# Altium PCB simon pcb.PcbDoc (continued)
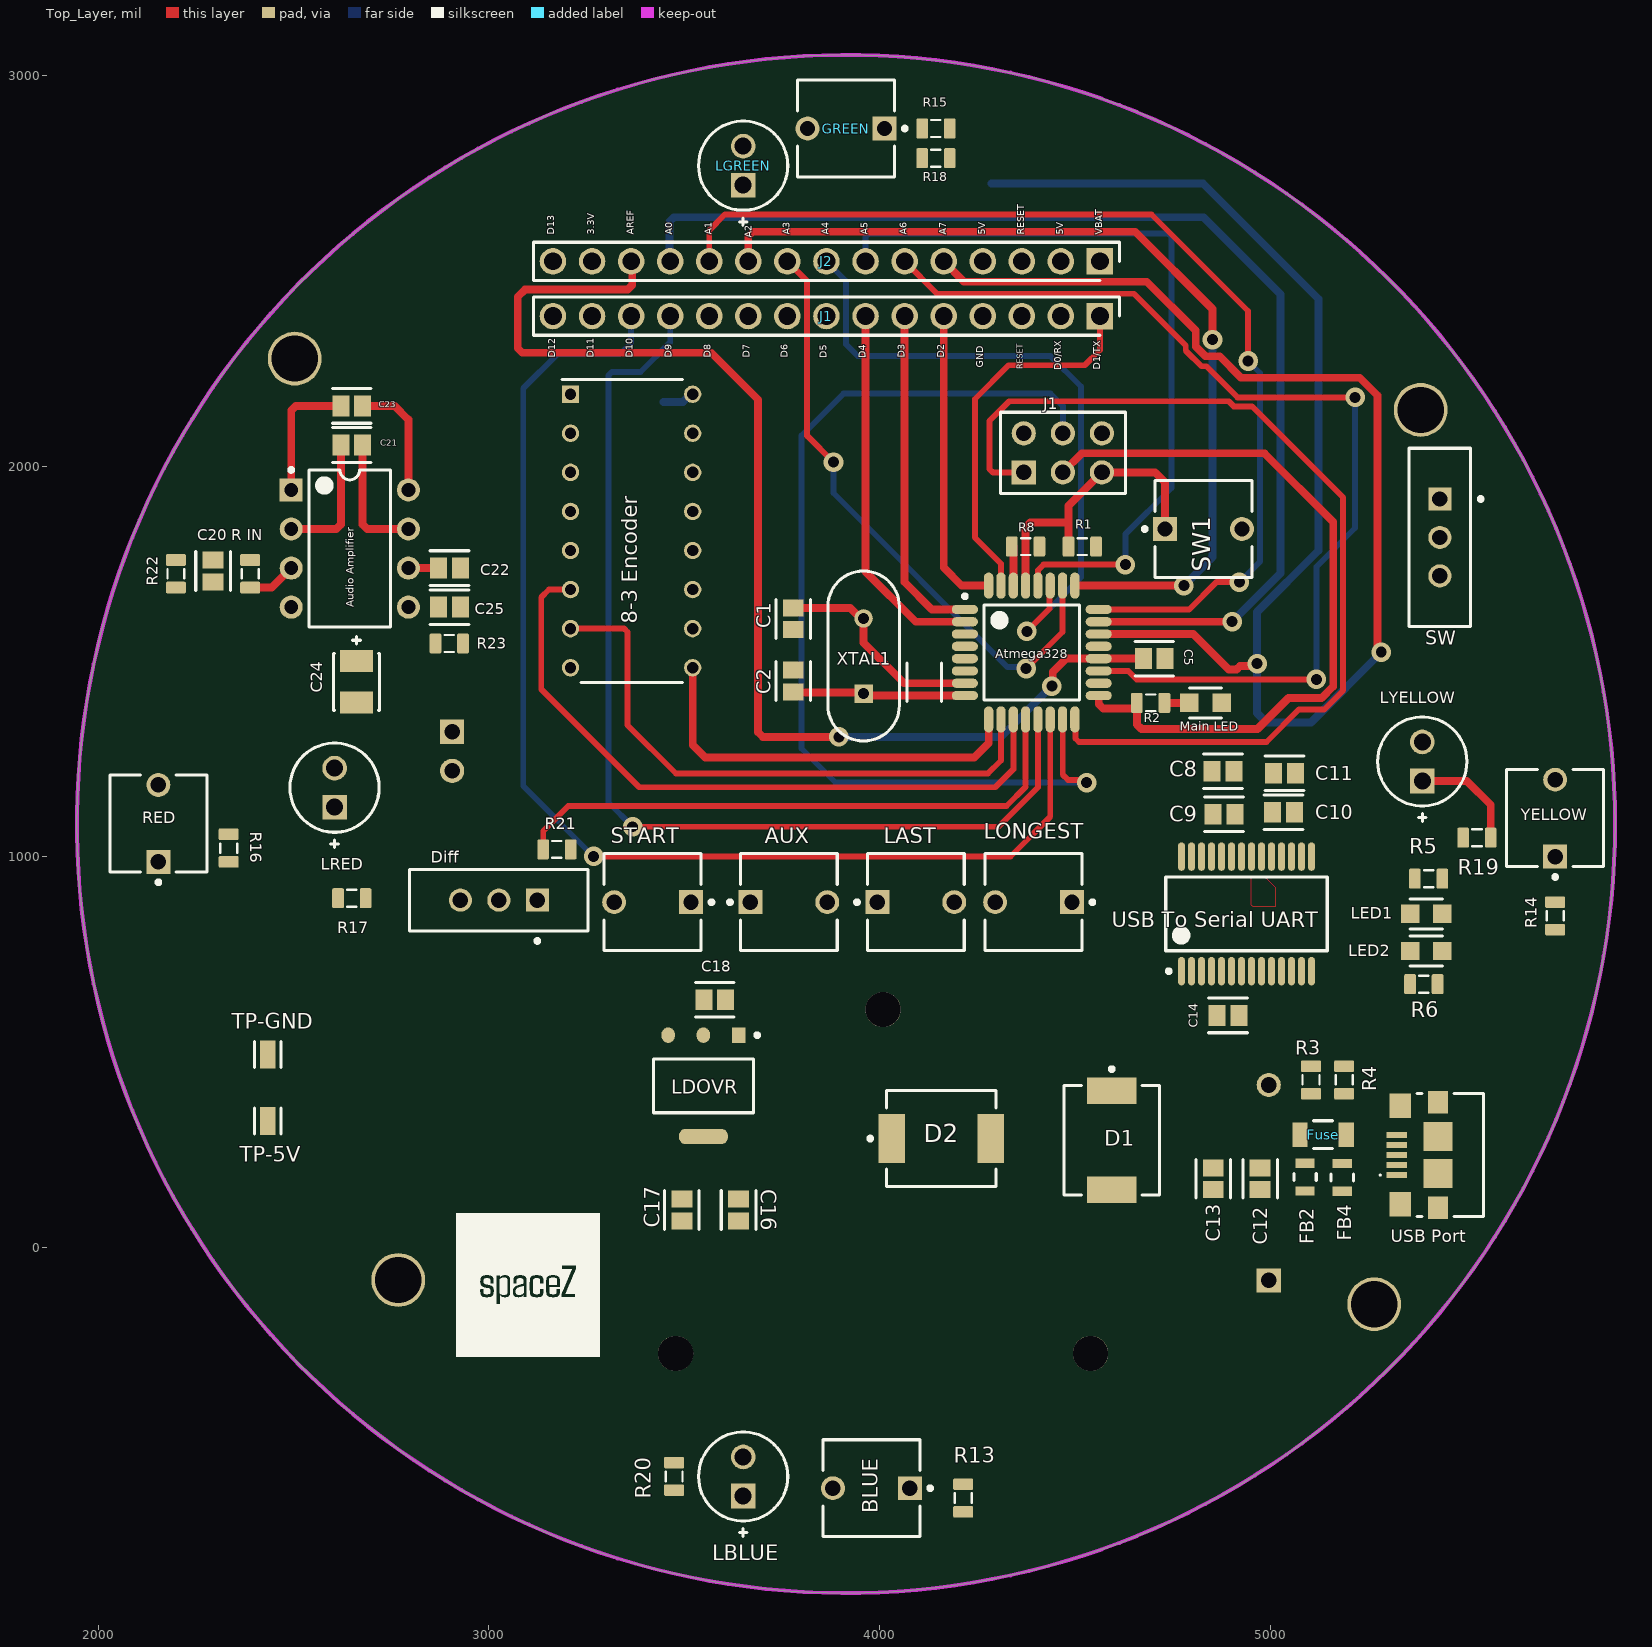
[diagram p0: Top_Layer view]
## Part data (continued)
AUX BLUE GREEN LAST LONGEST RED START SW1 YELLOW: library part CMP-00287-55650591-1, "EVQ-21405R Switch Tactile N.O. SPST Round Button PC Pins 0.02A 15VDC 1.3N Thru-Hole Radial T/R", Case/Package=Radial, Contact Current Rating=20mA, Contact Resistance=50mΩ, Max Operating Temperature=70°C, Max Voltage Rating (DC)=15V, Min Operating Temperature=-20°C, Operating Force=1.3N, Actuator Length=1.6mm, Contact Plating=Silver, Current Rating=20mA, Depth=6mm, Electrical Life=100kcycles, Height=5mm, Illumination Type="Illuminated, Non-Illuminated", Lead Free="Lead Free", Length=6mm, Life (Cycles)=100kcycles, Max Current Rating=20mA, Mechanical Life=100kcycles, Mount="Through Hole", NexarPartId=55650591, Number of Positions=2, Orientation=Straight, Radiation Hardening=No, REACH SVHC=Unknown, RoHS=Compliant, Switch Function=Off-Mom, Switch Travel=250µm, Termination="PC Pin", Throw Configuration=SPST, Voltage Rating (DC)=15V, Weight=1.451496g, Width=6mm
BAT1: library part CMP-136216-000001-1, "BATTERY HOLDER 9V PC PIN", Manufacturer="Memory Protection Devices", Package=0, Voltage Rating=9V, Automotive=No, Category=Batt, ComponentLink2Description=Datasheet, ComponentLink2URL=http://www.memoryprotectiondevices.com/datasheets/BH9VPC-datasheet.pdf, Conn Orientation=Vertical, Contact Material=Nickel, Device Class L1=Connectors, Device Class L2=unset, Device Class L3=unset, Digikey Description="BATTERY HOLDER 9V PC PIN", Height=21.12mm, Is Female=yes, Lead Free=Yes, Manufacturer Part Number=BH9VPC, Number of Contacts=2, Octopart=https://octopart.com/bh9vpc-memory+protection+devices-22788154, RoHS=TRUE
C1 C2 C3 C4 C5 C6 C7 C8 C9 C10 C11 C12 C13 C14 C15 C16 C17 C18 C19 C20 C21 C22 C23 C25: library part CMP-2000-05016-2, "General Purpose Ceramic Capacitor, 0805, 100nF, 10%, X7R, 0.15, 50V", Capacitance=100nF, Case Code (Imperial)=0805, Case Code (Metric)=2012, Dielectric=X7R, Dielectric Material=Ceramic, Insulation Resistance=100GR, Max Operating Temperature=125°C, Min Operating Temperature=-55°C, Package Quantity=4000, Tolerance=10%, Voltage=50V, Case/Package=0805, Depth=1.25mm, Dissipation Factor=2.5%, Height=0.5mm, Lead Free="Lead Free", Length=2mm, Mount="Surface Mount", Number of Pins=2, Packaging="Cut Tape", Radiation Hardening=No, REACH SVHC="No SVHC", RoHS Compliant=Yes, Series="MLCC X7R", Termination=Standard, Thickness=0.037inch, Voltage Rating=50V, Voltage Rating (DC)=50V, Weight=0.001411oz, Width=1.2mm
C24: library part CMP-2000-07191-2, "CAP TANT 10UF 10% 20V 1411", Capacitance=10uF, Case Code (Imperial)=1411, Case Code (Metric)=3528, Dielectric Material=Tantalum, ESR (Equivalent Series Resistance)=2.1R, Leakage Current=2uA, Max Operating Temperature=125°C, Min Operating Temperature=-55°C, Package Quantity=1, Ripple Current=201mA, Tolerance=10%, Voltage=20V, Case/Package=1411, Depth=2.8mm, Dissipation Factor=6%, Failure Rate=0.001%, Features="General Purpose", Height=1.9mm, Height - Seated (Max)=0.083inch, Lead Free="Lead Free", Length=3.5mm, Life (Hours)=2000Hour, Mount="Surface Mount", Number of Pins=2, Packaging="Tape and Reel", Polarity=Polar, Radiation Hardening=No, REACH SVHC="No SVHC", RoHS Compliant=Yes, Termination=SMD/SMT, Voltage Rating=20V, Voltage Rating (DC)=20V, Weight=0.002293oz, Width=2.8mm
D1 D2: library part CMP-02539-000066-1, "DIODE SCHOTTKY 40V 3A DO214AB", Average Rectified Current=3A, Case/Package=SMC, Forward Voltage=500mV, Max Operating Temperature=125°C, Max Repetitive Reverse Voltage (Vrrm)=40V, Max Reverse Current=500uA, Max Surge Current=100A, Min Operating Temperature=-55°C, Package Quantity=3500, Element Configuration=Single, Forward Current=3A, Max Reverse Leakage Current=500uA, Max Reverse Voltage (DC)=40V, Mount="Surface Mount", Number of Pins=2, Packaging="Tape and Reel", Peak Non-Repetitive Surge Current=100A, Radiation Hardening=No, RoHS Compliant=Yes, Series=-
Diff SW: library part CMP-011-00006-2, "Slide Switch, SPDT, 500 V, -20 to 70 degC, 3-Pin THD, RoHS, Bulk", Contact Current Rating=200mA, Manufacturer=E-Switch, Max Operating Temperature=70°C, Min Operating Temperature=-20°C, Operating Force=250gf, Package Description="3-Pin Through Hole Device, Body 11.6 x 4 mm, Pitch 2.5 mm", Package Quantity=1000, Voltage Rating (AC)=30V, Case/Package=EG1218, Contact Finish=Silver, Contact Material=Copper, Contact Plating=Silver, Current Rating=200mA, Datasheet URL=https://www.e-switch.com/system/asset/product_line/data_sheet/119/EG.pdf, Datasheet Version=Oct-15, Manufacturer URL=http://www.e-switch.ch/en/, Mounting Technology=TH, Package Reference=EG1218, Packaging=Bulk, Pins=3, RoHS Compliant=True, Throw Configuration=SPDT, Voltage Rating (DC)=30V
FB1 FB2 FB3 FB4: library part CMP-0686-00665-3, "Chip Ferrite Bead, 0805, 1000Ω @ 100MHz, 0.27Ω, 25%, 600mA", Case Code (Imperial)=0805, Case Code (Metric)=2012, Current Rating=500mA, DC Current=200mA, DC Resistance (DCR)=280mR, Frequency=100MHz, Max Current Rating=600mA, Max Operating Temperature=125°C, Min Operating Temperature=-55°C, Package Quantity=1, Tolerance=25%, Case/Package=0805, Core Material=Ferrite, Depth=1.25mm, Height=0.85mm, Impedance=1kR, Lead Free="Lead Free", Length=2mm, Material=Steel, Max DC Current=200mA, Military Standard=Not, Number of Circuits=1, Number of Lines=1, Number of Pins=2, Packaging="Tape and Reel", Radiation Hardening=No, REACH SVHC="No SVHC", Shielding=Unshielded, Termination=SMD/SMT, Test Frequency=100MHz, Weight=0.000194oz, Width=1.25mm
Fuse: library part CMP-07400-000012-1, "PTC RESET FUSE 6V 1.1A 1206", Ambient Temperature Range High=+85°C, Ambient Temperature Range Low=-40°C, Current Rating=100A, Hold Current=1.1A, Manufacturer=Bourns, Resistance=0.06-0.2Ω, Temperature="-40°C to +85°C", Trip Current=2.2A, Voltage Rating=6V, Automotive=Yes, Automotive Grade="Grade 3", Category=Fuse, ComponentLink2Description=Datasheet, ComponentLink2URL=https://www.bourns.com/docs/Product-Datasheets/mfnsmf.pdf, Device Class L1="Circuit Protection", Device Class L2="PTC Resettable Fuses", Device Class L3=unset, Digikey Description="PTC RESET FUSE 6V 1.1A 1206", Height=0.7mm, Lead Free=Yes, Manufacturer Part Number=MF-NSMF110-2, Mouser Description="Resettable Fuses - PPTC 1.1A 6V 0.06ohm", Octopart=https://octopart.com/mf-nsmf110-2-bourns-41795, Package=MF-NSMF110-2, RoHS=TRUE, Temperature Range High=+85°C, Temperature Range Low=-40°C, Trip Time=0.1s
J1 J2: "Headers & Wire Housings 15P VERT HEADER Sn", Manufacturer_Name=Molex, Mouser Part Number=538-22-28-4150, Datasheet Link=https://componentsearchengine.com/Datasheets/1/22-28-4150.pdf, Geometry.Height=8.38mm, Manufacturer_Part_Number=22-28-4150, Mouser Price/Stock=https://www.mouser.co.uk/ProductDetail/Molex/22-28-4150?qs=M5Ic86%252BuP8aClMFgmZrq7g%3D%3D
J1: library part CMP-2000-06636-2, "CONN HEADER VERT 6POS 2.54MM", Current Rating=3A, Manufacturer=Harwin, Temperature="-40°C to +105°C", Temperature Range High=+105°C, Temperature Range Low=-40°C, Automotive=No, Category=Conn, ComponentLink2Description=Datasheet, ComponentLink2URL=https://cdn.harwin.com/pdfs/M20-998.pdf, Conn Gender=Male, Conn Orientation=Vertical, Contact Material=Tin,Nickel, Device Class L1=Connectors, Device Class L2="Headers and Wire Housings", Device Class L3=unset, Digikey Description="CONN HEADER VERT 6POS 2.54MM", Height=8.99mm, Lead Free=Yes, Manufacturer Part Number=M20-9980346, Mouser Description="2.54mm (0.1\") Pitch DIL Vertical PC Tail Pin Header, 6.1mm mating pin height, tin, 3+3 contacts", Number of Contacts=6, Number of Rows=2, Octopart=https://octopart.com/m20-9980346-harwin-5436545, Package=M20-9980346, Pitch=2.54mm, RoHS=TRUE
J3: library part CMP-02766-001428-1, "CONN HEADER VERT 2POS 2.54MM", Color=Black, Current Rating=7.6A, Max Operating Temperature=125°C, Max Voltage Rating (AC)=550V, Min Operating Temperature=-55°C, Package Quantity=1, Connector Type="Male Pin", Contact Material=Bronze, Contact Mating Length=0.23inch, Contact Plating=Gold, Contact Type="Male Pin", Depth=2.54mm, Gender=Male, Housing Color=Black, Housing Material=Polyester, Lead Free="Lead Free", Length=5.08mm, Max Current Rating=7.6A, Mount="Through Hole", Number of Contacts=2, Number of Positions=2, Number of Rows=1, Orientation=Straight, Packaging=Bulk, Pitch=2.54mm, Radiation Hardening=No, REACH SVHC="No SVHC", RoHS Compliant=Yes, Series=TSW, Termination=Solder, Voltage Rating=550V, Width=2.54mm
LBLUE LGREEN LRED LYELLOW: library part CMP-2000-06058-1, "Cree(R) 5-mm Red Round LED, 2.1 V, -40 to 100 degC, 2-Pin THD, RoHS, Ammo", Emitting Color=Red, Forward Current=50mA, Forward Voltage=2.6V, Manufacturer=Cree, Operating Temp Range=-40Cto100C, Operating Temperature Classification=Industrial, Package Description="2-Pin Through Hole Device, Dia 5.8 mm, Pitch 2.54 mm", Package Reference=C503B-RAN, Package Type=T-13/4, Power Dissipation=130mW, Reverse Voltage=5V, Test Current (It)=20mA, Datasheet URL=http://www.cree.com/sitecore-modules/web/~/media/Files/Cree/LED-Components-and-Modules/HB/Data-Sheets/C503B-RAS-RAN-AAS-AAN-RBS-RBN-ABS-ABN-RCS-RCN-ACS-ACN-1079.pdf, Datasheet Version=12/2014, Dominant Wave Length=624nm, Lens Dimensions=5x5x7.8mm, Luminous Intensity=12000mcd, Main Category=StandardLED, Manufacturer URL=http://www.cree.com/, Mounting=ThroughHole, Mounting Technology=ThroughHole, Number of  Elements=1, Packaging=AmmoPack, Pin Count=2, Product Depth (mm)=5.8mm, Product Height (mm)=8.8mm, Product Length (mm)=5.8mm, Shape Type=Circular, Type=Uni-Color, Viewing Angle=15°
LDOVR: library part CMP-209535-000001-1, "LDO Voltage Regulators 1A, 3.3V", Dropout Voltage=1.1V, Manufacturer="Advanced Monolithic Systems", Manufacturer Part Number=AMS1117-3.3, Max Junction Temp=+125°C, Max Power Dissipation=1.2W, Max Supply Voltage=15V, Nominal Supply Current=5mA, Output Current=1A, Output Voltage=3.3V, Package=AMS1117, Temperature="-40°C to +125°C", Temperature Range Low=-40°C, Automotive=No, Category=IC, ComponentLink2Description=Datasheet, ComponentLink2URL=http://www.advanced-monolithic.com/pdf/ds1117.pdf, Device Class L1="Integrated Circuits (ICs)", Device Class L2="Power Management ICs", Device Class L3="Voltage Regulators - Linear", Height=1.8mm, Ipc Land Pattern Name=SOT229P700X180-4, Lead Free=Yes, Number of Outputs=1, Octopart=https://octopart.com/ams1117-3.3-advanced+monolithic+systems-25899300, Output Type=Fixed, RoHS=TRUE, Standoff Height=0.64mm, Temperature Range High=+125°C
LED1: library part CMP-44529-000064-1, "LED YELLOW CLEAR CHIP SMD", Case Code (Imperial)=0805, Case Code (Metric)=2012, Color=Yellow, Forward Current=20mA, Forward Voltage=2V, Illumination Color=Green, Lens Color=Clear, Max Operating Temperature=85°C, Min Operating Temperature=-40°C, Package Quantity=2000, Case/Package=0805, Dominant Wavelength=590nm, Height=0.4mm, Lead Free="Lead Free", Length=2mm, Lens Style=Clear, Luminous Intensity=150mcd, Mount="Surface Mount", Number of LEDs=1, Number of Pins=2, Packaging="Tape and Reel", RoHS Compliant=Yes, Series=APHCM, Test Current=20mA, Viewing Angle=110°, Wavelength=590nm, Width=1.25mm
LED2 "Main LED": library part CMP-44529-000064-1, "LED YELLOW CLEAR CHIP SMD", Case Code (Imperial)=0805, Case Code (Metric)=2012, Color=Yellow, Forward Current=20mA, Forward Voltage=2V, Lens Color=Clear, Max Operating Temperature=85°C, Min Operating Temperature=-40°C, Package Quantity=2000, Case/Package=0805, Dominant Wavelength=590nm, Height=0.4mm, Illumination Color=Green, Lead Free="Lead Free", Length=2mm, Lens Style=Clear, Luminous Intensity=150mcd, Mount="Surface Mount", Number of LEDs=1, Number of Pins=2, Packaging="Tape and Reel", RoHS Compliant=Yes, Series=APHCM, Test Current=20mA, Viewing Angle=110°, Wavelength=590nm, Width=1.25mm
R1 R2 R3 R4 R5 R6 R7 R8 R9 R10 R11 R12 R13 R14 R15 R16 R17 R18 R19 R20 R21 R22 R23 "R IN": library part CMP-009-00076-2, "1K 0.125W 5% 0805 (2012 Metric)  SMD", Case/Package=0805, Power=125mW, Tolerance=5%, Mounting Technology=SMT, Pins=2
TP-5V TP-GND: library part CMP-15817-000011-1, "PC TEST POINT NATURAL", Color=Natural, Body Material=Brass, Material="Copper Alloy", Mount="Surface Mount", Packaging="Tape and Reel", Plating=Tin, RoHS Compliant=Yes
"USB Port": library part CMP-2000-05408-1, "Micro USB Receptacle Standard Type B Assy, 5-Pin SMD, RoHS, Tape and Reel", Current Rating (Max)=1/ContactA, Manufacturer="TE Connectivity", Operating Temp Range=-55Cto85C, Operating Temperature Max Deg. C=85C, Operating Temperature Min Deg. C=-55C, Voltage Rating Max=30VAC, Body Orientation=RightAngle, Contact Material=CopperAlloy, Contact Plating=GoldOverNickel, Datasheet URL=http://www.mouser.com/ds/2/418/NG_CD_1981568_E2-621296.pdf, Datasheet Version="Rev. E2, 08/2015", Gender=RCP, Housing Material=Thermoplastic, Manufacturer URL=http://www.te.com/, Mounting Style=SurfaceMount, Number of Contacts=5POS, Number of Ports=1Port, Number of Terminals=5, Packaging=TapeandReel, Pitch (mm)=0.65mm, Product Depth (mm)=5.6mm, Product Height (mm)=3mm, Product Length (mm)=8mm, Termination Method=Solder, Type=MicroUSB
"USB To Serial UART": library part CMP-015-00000-2, "USB UART IC, -0.5 to 6 V, 24 mA, -40 to 85 degC, 28-Pin SSOP, RoHS, Tape and Reel", Case/Package=SSOP, Manufacturer="Future Technology Devices International (FTDI)", Max Operating Temperature=85°C, Max Supply Voltage=5.25V, Min Operating Temperature=-40°C, Min Supply Voltage=3.3V, Nominal Supply Voltage=5V, Package Quantity=2000, Channels=1, Data Rate=3Mbps, Datasheet URL=http://datasheet.octopart.com/FT232RL-FTDI-datasheet-120501.pdf, Datasheet Version="Rev. 1.04, 02/2006", Interface=UART, Manufacturer URL=http://www.ftdichip.com/, Packaging=TapeandReel, Pins=16, RoHS Compliant=True
XTAL1: library part CMP-003-00000-2, "Crystal, 16 MHz, +/-20 ppm, 18 pF, -20 to 70 degC, 2-Pin THD, RoHS", Case/Package=49S-18PF, Frequency=16MHz, Manufacturer="Shenzhen Jingpengyuan", Package Description="2-Pin Through Hole Device, Body 11.05 x 4.65 mm, Pitch 4.88 mm", Datasheet URL=http://datasheet.octopart.com/49S-18PF-Xinhunjing-datasheet-30677139.pdf, Datasheet Version=Aug-14, Manufacturer URL=http://www.chjiahui.com/, Mounting Technology=TH, Package Reference=49S-18PF, RoHS Compliant=Unknown

## Free pads (board coordinates)
  round 137.8 hole 118.11: 22(2768,-83) 23(2503,2275) 24(5385,2144) 25(5266,-145)

## Via types
v1: diameter 50, hole 28, Top_Layer to Bottom Layer, 18 vias

## Nets (pads, with @x,y where several pads share a name; then routed paths per layer and width w, separated by ;. In a path a pad name is that pad's centre, name@x,y a point inside that pad or via, vN(x,y) a via of type N, cw(c..) or ccw(c..) an arc to the next point about the centre after c; other vN are vias at no path point)
GND: "8-3 Encoder.5" "8-3 Encoder.8" "Audio Amplifier.4" "Main LED.1" "USB Port.5" "USB Port.6" "USB Port.7" "USB Port.8" "USB Port.9" "USB Port.11" "USB To Serial UART.7" "USB To Serial UART.18" "USB To Serial UART.21" "USB To Serial UART.25" "USB To Serial UART.26" Atmega328.3 Atmega328.5 Atmega328.21 AUX.B BAT1.1 BLUE.B C1.2 C2.2 C3.2 C4.2 C5.2 C6.2 C7.2 C8.2 C9.2 C10.2 C11.2 C12.2 C13.2 C15.2 C16.2 C17.2 C18.2 C19.2 C20.2 C22.2 Diff.2 GREEN.B J1.4@4264,2384 J1.6@4569,2084 J2.2 J3.2 LAST.B LBLUE.2 LDOVR.1 LGREEN.2 LONGEST.B LRED.2 LYELLOW.2 RED.B START.B SW1.B TP-GND.1 YELLOW.B
"Net8-3 Encoder_1": "8-3 Encoder.1" BLUE.A R13.2
"Net8-3 Encoder_2": "8-3 Encoder.2" R14.2 YELLOW.A
"Net8-3 Encoder_3": "8-3 Encoder.3" GREEN.A R15.2
"Net8-3 Encoder_4": "8-3 Encoder.4" R16.2 RED.A
"Net8-3 Encoder_6": "8-3 Encoder.6" Atmega328.11 J1.10 | length 1777.1
  Top_Layer w15: 3209,1684 3154,1684 3134,1664 3134,1429 3385,1178 4296,1178 4342.26,1224.26 Atmega328.11
"Net8-3 Encoder_7": "8-3 Encoder.7" Atmega328.10 J1.9 | length 1513.9
  Top_Layer w15: 3209,1584 3346.21,1584 3355,1575.21 3355,1337 3479,1213 4277,1213 4310.76,1246.76 Atmega328.10
"Net8-3 Encoder_9": "8-3 Encoder.9" Atmega328.9 J1.8 | length 1044.3
  Top_Layer w20: 3521.6,1484 3521.6,1286.4 3553.74,1254.26 4242.2,1254.26 4279.26,1291.33 Atmega328.9
"Net8-3 Encoder_10": "8-3 Encoder.10" AUX.A R10.2
"Net8-3 Encoder_11": "8-3 Encoder.11" LONGEST.A R9.2
"Net8-3 Encoder_12": "8-3 Encoder.12" LAST.A R11.2
"Net8-3 Encoder_13": "8-3 Encoder.13" R12.2 START.A
NetAtmega328_1: Atmega328.1 J1.6@4064,2384 | length 864.2
  Top_Layer w20: J1.6@4064,2384 4064,1703 4133.82,1633.18 Atmega328.1
NetAtmega328_2: Atmega328.2 J1.7 | length 986.6
  Top_Layer w20: J1.7 3964,1730 4092.32,1601.68 Atmega328.2 4217.55,1602.37 Atmega328.2@4193.33,1602.37
NetAtmega328_7: Atmega328.7 C1.1 XTAL1.2 | length 555.4
  Top_Layer w20: C1.1 3924.91,1636.79 3951.63,1610.06 XTAL1.2 3959,1548 4062.8,1444.2 Atmega328.7
NetAtmega328_8: Atmega328.8 C2.1 XTAL1.1 | length 443.3
  Top_Layer w20: C2.1 3781.24,1420.18 3956.76,1420.18 XTAL1.1 3964.23,1412.7 Atmega328.8
NetAtmega328_12: Atmega328.12 Diff.1 J1.11 R21.2 | length 1501.2
  Top_Layer w15: R21.2 3138.96,1065.96 3203,1130 4324.67,1130 4373.75,1179.08 Atmega328.12
NetAtmega328_13: Atmega328.13 J1.12 R22.2 | length 2693.7
  Top_Layer w15: v1(3368,1077) 4304.2,1077 4405.25,1178.05 Atmega328.13
  Bottom Layer w15: v1(3368,1077) 3306,1139 3306,2232.21 3314.79,2241 3388,2241 3464,2317 J1.12
NetAtmega328_14: Atmega328.14 J1.13 | length 3125.4
  Top_Layer w15: v1(3268,1001) 4335,1001 4436.74,1102.74 Atmega328.14
  Bottom Layer w15: v1(3268,1001) 3088,1181 3088,2199 3175.44,2286.44 3335.44,2286.44 3364,2315 J1.13
NetAtmega328_15: Atmega328.15 J1.4@4469,2084 J1.14 | length 2575.3
  Top_Layer w15: Atmega328.15 4468.62,1351.3 4468.62,1210.38 4482.5,1196.5 4523.5,1196.5 v1(4530,1190)
  Bottom Layer w15: J1.4@4469,2084 4469,2154 4437,2186 3908,2186 3800,2078 3800,1277 3887,1190 v1(4530,1190)
NetAtmega328_16: Atmega328.16 J1.1@4369,1984 J1.15 | length 2536.1
  Top_Layer w15: J1.1@4369,1984 4367,1982 4359,1990 4353,1984 4289.79,1984 4281,1992.79 4281,2115.21 4331.79,2166 4893.47,2166 4906.47,2153 4953,2153 5186.5,1919.5 5186.5,1425.63 5137.87,1377 5073,1377 4990,1294 4510.17,1294 4501.39,1302.79 4501.39,1350.03 Atmega328.16
NetAtmega328_17: Atmega328.17 J1.3@4469,1984 J2.15 R2.2 | length 1940.1
  Top_Layer w20: J1.3@4469,1984 4517.91,2032.91 4984.91,2032.91 5161,1856.81 5161,1436.19 5131.41,1406.59 5046.59,1406.59 4967,1327 4670.24,1327 4658.53,1338.72 R2.2@4658.53,1384.2 ; Atmega328.17 4560.76,1390.96 4572.48,1379.24 4653.57,1379.24 R2.2@4658.53,1384.2 ; R2.2 R2.2@4658.53,1384.2
NetAtmega328_18: Atmega328.18 C6.1 C7.1 FB1.2 FB3.2
NetAtmega328_19: Atmega328.19 J2.6 R19.1 | length 2633.9
  Top_Layer w15: J2.6 4147,2441 4651,2441 4783.5,2308.5 4783.5,2295.63 4823.63,2255.5 4836.5,2255.5 4916,2176 v1(5217,2176) ; Atmega328.19 4636.35,1475.7 4658.04,1454 v1(5118,1454)
  Bottom Layer w15: v1(5118,1454) 5118,1742.34 5217,1841.34 v1(5217,2176)
NetAtmega328_20: Atmega328.20 C5.1 J2.13 | length 3113.4
  Top_Layer w20: J2.13 3367,2521 3367,2463.72 3355.28,2452 3092.72,2452 3074,2433.28 3074,2301.72 3085.72,2290 3569,2290 3689,2170 3689,1318.72 3700.72,1307 v1(3896,1307) ; v1(4441,1437) 4443,1439 4443,1473 4477.19,1507.19 Atmega328.20 C5.1
  Bottom Layer w20: v1(3896,1307) 4311,1307 v1(4441,1437)
NetAtmega328_22: Atmega328.22 J2.5 R20.1 | length 4872.9
  Top_Layer w20: J2.5 4215.96,2472.04 4683.96,2472.04 4809,2347 4809,2306.19 4834.19,2281 4870.19,2281 4925.19,2226 5229,2226 5274,2181 5274,1534 v1(5284,1524) ; Atmega328.22 4802.82,1570.18 4893.5,1479.5 4913.5,1479.5 4922.76,1488.76 4960.26,1488.76 v1(4966,1494.5)
  Bottom Layer w20: 4286,2723 4828,2723 5123,2428 5123,1783.4 4966,1626.4 v1(4966,1494.5) 4966,1368 4990,1344 5104,1344 v1(5284,1524)
NetAtmega328_23: Atmega328.23 J2.12 | length 2983.3
  Top_Layer w20: Atmega328.23 4901.68,1601.68 v1(4902,1602)
  Bottom Layer w20: J2.12 3462,2526 3462,2625.28 3473.72,2637 4829,2637 5026,2440 5026,1726 v1(4902,1602)
NetAtmega328_24: Atmega328.24 J2.11 | length 2695.4
  Top_Layer w15: J2.11 3564,2604 3604,2644 4696,2644 4943,2397 v1(4943,2269) ; Atmega328.24 4792.18,1633.18 4862,1703 v1(4921,1703)
  Bottom Layer w15: v1(4921,1703) 4973.44,1755.44 4973.44,2238.56 v1(4943,2269)
NetAtmega328_25: Atmega328.25 J2.10 R17.1 | length 2356.4
  Top_Layer w20: J2.10 3664,2588.28 3675.72,2600 4654,2600 4852,2402 v1(4852,2324) ; Atmega328.25 v1(4778.93,1694.2)
  Bottom Layer w20: v1(4778.93,1694.2) 4852,1767.27 v1(4852,2324)
NetAtmega328_26: Atmega328.26 J2.9 R18.1 | length 1571.7
  Top_Layer w15: J2.9 3814.54,2473.46 3814.54,2077.46 v1(3882,2010) ; v1(4375,1482) 4468.24,1575.24 Atmega328.26
  Bottom Layer w15: v1(3882,2010) 3882,1931 4327.5,1485.5 4371.5,1485.5 v1(4375,1482)
NetAtmega328_27: Atmega328.27 J2.8 | length 1704.9
  Top_Layer w15: v1(4377,1577) 4435.09,1635.09 4435.09,1692.55 Atmega328.27
  Bottom Layer w15: J2.8 3914,2474 3914,2312 3944,2282 4437,2282 4515.41,2203.59 4515.41,1715.41 v1(4377,1577)
NetAtmega328_28: Atmega328.28 J2.7 | length 2008.6
  Top_Layer w15: Atmega328.28 4405.25,1733.46 4419.79,1748 v1(4629,1748)
  Bottom Layer w15: J2.7 3964,2586.21 3972.79,2595 4738.21,2595 4747,2586.21 4747,1943.85 4629,1825.85 v1(4629,1748)
NetAtmega328_29: Atmega328.29 C14.2 J1.3@4364,2384 J1.5@4569,1984 J2.3 R1.1 SW1.A | length 783
  Top_Layer w20: Atmega328.29 4373.75,1844.28 4385.47,1856 4480.57,1856 4483.57,1859 ; R1.1 4483.57,1859 ; SW1.A 4730.57,1894.71 4730.57,1958.43 4705,1984 4569,1984 4483.57,1898.57 4483.57,1859
NetAtmega328_30: Atmega328.30 J1.2@4464,2384 R8.1 | length 100.3
  Top_Layer w20: Atmega328.30 4342.91,1694.86 4342.91,1793.34 R8.1@4343.57,1794
NetAtmega328_31: Atmega328.31 J1.1@4564,2384 R7.1 | length 964.2
  Top_Layer w15: Atmega328.31 4310.76,1750.16 4244,1816.92 4244,2172 4330,2258 4525,2258 4564,2297 J1.1@4564,2384
NetAtmega328_32: Atmega328.32 J1.5@4164,2384 | length 777.9
  Top_Layer w20: J1.5@4164,2384 4164,1740.57 4210.37,1694.2 Atmega328.32
"NetAudio Amplifier_1": "Audio Amplifier.1" C23.1 | length 335.4
  Top_Layer w20: 2494,1939 2494,2142.28 2505.72,2154 C23.1
"NetAudio Amplifier_2": "Audio Amplifier.2" C21.2 | length 335.4
  Top_Layer w20: 2494,1839 2609.5,1839 2621.21,1850.72 C21.2
"NetAudio Amplifier_3": "Audio Amplifier.3" "R IN.1" | length 125.7
  Top_Layer w20: 2389,1689.1 2444.1,1689.1 2494,1739
"NetAudio Amplifier_5": C24.2 C25.1
"NetAudio Amplifier_7": "Audio Amplifier.7" C21.1 | length 325.4
  Top_Layer w20: C21.1 2676.79,1850.72 2688.5,1839 2794,1839
"NetAudio Amplifier_8": "Audio Amplifier.8" C23.2 | length 311.7
  Top_Layer w20: C23.2 2759,2154 2794,2119 2794,1939
NetC14_1: "USB To Serial UART.2" C14.1
NetC20_1: "R IN.2" C20.1 R22.1
NetC24_1: C24.1 J3.1
NetC25_2: C25.2 R23.1
NetFB2_2: FB2.2 FB4.2 Fuse.1
NetFuse_2: "USB Port.1" Fuse.2
NetLBLUE_1: LBLUE.1 R20.2
NetLED1_1: "USB To Serial UART.13" LED1.1
NetLED1_2: LED1.2 R5.2
NetLED2_1: "USB To Serial UART.22" LED2.1
NetLED2_2: LED2.2 R6.2
NetLGREEN_1: LGREEN.1 R18.2
NetLRED_1: LRED.1 R17.2
NetLYELLOW_1: LYELLOW.1 R19.2 | length 284.3
  Top_Layer w20: LYELLOW.1 5503,1194 5564.04,1132.96 R19.2
"NetMain LED_2": "Main LED.2" R2.1 | length 63.7
  Top_Layer w20: R2.1 4792.66,1394
NetR3_1: "USB Port.2" R3.1
NetR3_2: "USB To Serial UART.16" R3.2
NetR4_1: "USB Port.3" "USB Port.4" R4.1
NetR4_2: "USB To Serial UART.15" R4.2
NetR7_2: "USB To Serial UART.5" R7.2
NetR8_2: "USB To Serial UART.1" R8.2
VBAT: BAT1.2 D2.2 J2.1
"VCC 3.3V": "USB To Serial UART.17" C10.1 C11.1 J2.14
"VCC 5V": "8-3 Encoder.16" "Audio Amplifier.6" "USB To Serial UART.4" "USB To Serial UART.19" "USB To Serial UART.20" Atmega328.4 Atmega328.6 C3.1 C4.1 C8.1 C9.1 C15.1 C17.1 C18.1 C19.1 C22.1 D1.1 FB1.1 FB3.1 J1.2@4369,2084 J2.4 LDOVR.2 LDOVR.4 R1.2 R5.1 R6.1 R9.1 R10.1 R11.1 R12.1 R13.1 R14.1 R15.1 R16.1 R21.1 TP-5V.1 | length 160.3
  Top_Layer w20: 2794,1739 C22.1
  Bottom Layer w20: C19.1 3496.53,2164 3516.53,2184 3521.6,2184
"VCC USB": C12.1 C13.1 D1.2 FB2.1 FB4.1
VIN: D2.1 SW.2
"VIN SW": C16.1 LDOVR.3 SW.1
pads on no net: "8-3 Encoder.14" "8-3 Encoder.15" "Audio Amplifier." "USB Port.10" "USB To Serial UART.3" "USB To Serial UART.6" "USB To Serial UART.8" "USB To Serial UART.9" "USB To Serial UART.10" "USB To Serial UART.11" "USB To Serial UART.12" "USB To Serial UART.14" "USB To Serial UART.23" "USB To Serial UART.24" "USB To Serial UART.27" "USB To Serial UART.28" BAT1. Diff.3 R23.a SW.3

## Polygon pours and split planes (outlines as drawn)
no net on Top_Layer "Default Coverlay 1 Top" (solid, shelved, pour order 13): 1945.5,1041.05 1949.24,955.22 1956.73,869.64 1967.94,784.47 1982.86,699.87 2001.45,616 2023.69,533.02 2049.52,451.09 2078.9,370.37 2111.78,291 2148.08,213.15 2187.75,136.95 2230.7,62.55 2276.86,-9.9 2326.13,-80.27 2378.43,-148.43 2433.65,-214.23 2491.68,-277.57 2552.43,-338.32 2615.77,-396.35 2681.57,-451.57 2749.73,-503.87 2820.1,-553.14 2892.55,-599.3 2966.95,-642.25 3043.15,-681.92 3121,-718.22 3200.37,-751.1 3281.09,-780.48 3363.02,-806.31 3446,-828.55 3529.87,-847.14 3614.47,-862.06 3699.64,-873.27 3785.22,-880.76 3871.05,-884.5 3956.95,-884.5 4042.78,-880.76 4128.36,-873.27 4213.53,-862.06 4298.13,-847.14 4382,-828.55 4464.98,-806.31 4546.91,-780.48 4627.63,-751.1 4707,-718.22 4784.85,-681.92 4861.05,-642.25 4935.45,-599.3 5007.9,-553.14 5078.27,-503.87 5146.43,-451.57 5212.23,-396.35 5275.57,-338.32 5336.32,-277.57 5394.35,-214.23 5449.57,-148.43 5501.87,-80.27 5551.14,-9.9 5597.3,62.55 5640.25,136.95 5679.92,213.15 5716.22,291 5749.1,370.37 5778.48,451.09 5804.31,533.02 5826.55,616 5845.14,699.87 5860.06,784.47 5871.27,869.64 5878.76,955.22 5882.5,1041.05 5882.5,1126.95 5878.76,1212.78 5871.27,1298.36 5860.06,1383.53 5845.14,1468.13 5826.55,1552 5804.31,1634.98 5778.48,1716.91 5749.1,1797.63 5716.22,1877 5679.92,1954.85 5640.25,2031.05 5597.3,2105.45 5551.14,2177.9 5501.87,2248.27 5449.57,2316.43 5394.35,2382.23 5336.32,2445.57 5275.57,2506.32 5212.23,2564.35 5146.43,2619.57 5078.27,2671.87 5007.9,2721.14 4935.45,2767.3 4861.05,2810.25 4784.85,2849.92 4707,2886.22 4627.63,2919.1 4546.91,2948.48 4464.98,2974.31 4382,2996.55 4298.13,3015.14 4213.53,3030.06 4128.36,3041.27 4042.78,3048.76 3956.95,3052.5 3871.05,3052.5 3785.22,3048.76 3699.64,3041.27 3614.47,3030.06 3529.87,3015.14 3446,2996.55 3363.02,2974.31 3281.09,2948.48 3200.37,2919.1 3121,2886.22 3043.15,2849.92 2966.95,2810.25 2892.55,2767.3 2820.1,2721.14 2749.73,2671.87 2681.57,2619.57 2615.77,2564.35 2552.43,2506.32 2491.68,2445.57 2433.65,2382.23 2378.43,2316.43 2326.13,2248.27 2276.86,2177.9 2230.7,2105.45 2187.75,2031.05 2148.08,1954.85 2111.78,1877 2078.9,1797.63 2049.52,1716.91 2023.69,1634.98 2001.45,1552 1982.86,1468.13 1967.94,1383.53 1956.73,1298.36 1949.24,1212.78 1945.5,1126.95
no net on Top_Layer "Default Coverlay 1 Bottom" (solid, shelved, pour order 12): 1945.5,1041.05 1949.24,955.22 1956.73,869.64 1967.94,784.47 1982.86,699.87 2001.45,616 2023.69,533.02 2049.52,451.09 2078.9,370.37 2111.78,291 2148.08,213.15 2187.75,136.95 2230.7,62.55 2276.86,-9.9 2326.13,-80.27 2378.43,-148.43 2433.65,-214.23 2491.68,-277.57 2552.43,-338.32 2615.77,-396.35 2681.57,-451.57 2749.73,-503.87 2820.1,-553.14 2892.55,-599.3 2966.95,-642.25 3043.15,-681.92 3121,-718.22 3200.37,-751.1 3281.09,-780.48 3363.02,-806.31 3446,-828.55 3529.87,-847.14 3614.47,-862.06 3699.64,-873.27 3785.22,-880.76 3871.05,-884.5 3956.95,-884.5 4042.78,-880.76 4128.36,-873.27 4213.53,-862.06 4298.13,-847.14 4382,-828.55 4464.98,-806.31 4546.91,-780.48 4627.63,-751.1 4707,-718.22 4784.85,-681.92 4861.05,-642.25 4935.45,-599.3 5007.9,-553.14 5078.27,-503.87 5146.43,-451.57 5212.23,-396.35 5275.57,-338.32 5336.32,-277.57 5394.35,-214.23 5449.57,-148.43 5501.87,-80.27 5551.14,-9.9 5597.3,62.55 5640.25,136.95 5679.92,213.15 5716.22,291 5749.1,370.37 5778.48,451.09 5804.31,533.02 5826.55,616 5845.14,699.87 5860.06,784.47 5871.27,869.64 5878.76,955.22 5882.5,1041.05 5882.5,1126.95 5878.76,1212.78 5871.27,1298.36 5860.06,1383.53 5845.14,1468.13 5826.55,1552 5804.31,1634.98 5778.48,1716.91 5749.1,1797.63 5716.22,1877 5679.92,1954.85 5640.25,2031.05 5597.3,2105.45 5551.14,2177.9 5501.87,2248.27 5449.57,2316.43 5394.35,2382.23 5336.32,2445.57 5275.57,2506.32 5212.23,2564.35 5146.43,2619.57 5078.27,2671.87 5007.9,2721.14 4935.45,2767.3 4861.05,2810.25 4784.85,2849.92 4707,2886.22 4627.63,2919.1 4546.91,2948.48 4464.98,2974.31 4382,2996.55 4298.13,3015.14 4213.53,3030.06 4128.36,3041.27 4042.78,3048.76 3956.95,3052.5 3871.05,3052.5 3785.22,3048.76 3699.64,3041.27 3614.47,3030.06 3529.87,3015.14 3446,2996.55 3363.02,2974.31 3281.09,2948.48 3200.37,2919.1 3121,2886.22 3043.15,2849.92 2966.95,2810.25 2892.55,2767.3 2820.1,2721.14 2749.73,2671.87 2681.57,2619.57 2615.77,2564.35 2552.43,2506.32 2491.68,2445.57 2433.65,2382.23 2378.43,2316.43 2326.13,2248.27 2276.86,2177.9 2230.7,2105.45 2187.75,2031.05 2148.08,1954.85 2111.78,1877 2078.9,1797.63 2049.52,1716.91 2023.69,1634.98 2001.45,1552 1982.86,1468.13 1967.94,1383.53 1956.73,1298.36 1949.24,1212.78 1945.5,1126.95
GND on Top_Layer "NONET_L01_P007" (solid, shelved, pour order 7): 1945.5,1084 ccw(c3914,1084) 3914,-884.5 ccw(c3914,1084) 5882.5,1084 ccw(c3914,1084) 3914,3052.5 ccw(c3914,1084)
no net on Top_Layer "NONET_L-01_P-001" (solid, shelved, pour order 11): 4951.8,948.2 4986.8,948.2 5013,922 5013,872 4956,872 4951.8,876.2
GND on Bottom Layer "NONET_L02_P008" (solid, shelved, pour order 8): 1945.5,1084 ccw(c3914,1084) 3914,-884.5 ccw(c3914,1084) 5882.5,1084 ccw(c3914,1084) 3914,3052.5 ccw(c3914,1084)

## Keep-outs
Keep-Out Layer:
  circle w10: c3914,1084 r1968.5

## Silkscreen, mask and mechanical layers (free items; w line width, h text height)
Top Overlay:
  drawing of 4 lines, arcs and shapes, not listed
  text "D13" at 3173.46,2592 h30 r90
  text "3.3V" at 3276.2,2592 h30 r90
  text "AREF" at 3376.56,2592 h30 r90
  text "A0" at 3476.2,2592 h30 r90
  text "A1" at 3576.56,2592 h30 r90
  text "A3" at 3776.2,2592 h30 r90
  text "A4" at 3876.56,2592 h30 r90
  text "A5" at 3976.2,2592 h30 r90
  text "A6" at 4076.2,2592 h30 r90
  text "A7" at 4176.56,2592 h30 r90
  text "5V" at 4276.23,2592 h30 r90
  text "RESET" at 4376.2,2592 h30 r90
  text "5V" at 4476.23,2592 h30 r90
  text "VBAT" at 4576.56,2592.03 h30 r90
  text "A2" at 3678.56,2584 h30 r90
  text "D12" at 3176.82,2277 h30 r90
  text "D11" at 3274.56,2277 h30 r90
  text "D10" at 3374.2,2277 h30 r90
  text "D9" at 3474.2,2277 h30 r90
  text "D8" at 3574.2,2277 h30 r90
  text "D7" at 3674.56,2277 h30 r90
  text "D6" at 3771.2,2276.75 h30 r90
  text "D5" at 3871.2,2276.61 h30 r90
  text "D3" at 4071.2,2276.97 h30 r90
  text "D2" at 4171.56,2277.17 h30 r90
  text "D4" at 3971.56,2276.42 h30 r90
  text "GND" at 4271.2,2251.18 h30 r90
  text "RESET" at 4371.25,2248 h26 r90
  text "D1/TX" at 4571.23,2246.51 h30 r90
  text "D0/RX" at 4471.2,2244.9 h30 r90